# Altium PCB BOARD.PcbDoc (continued)
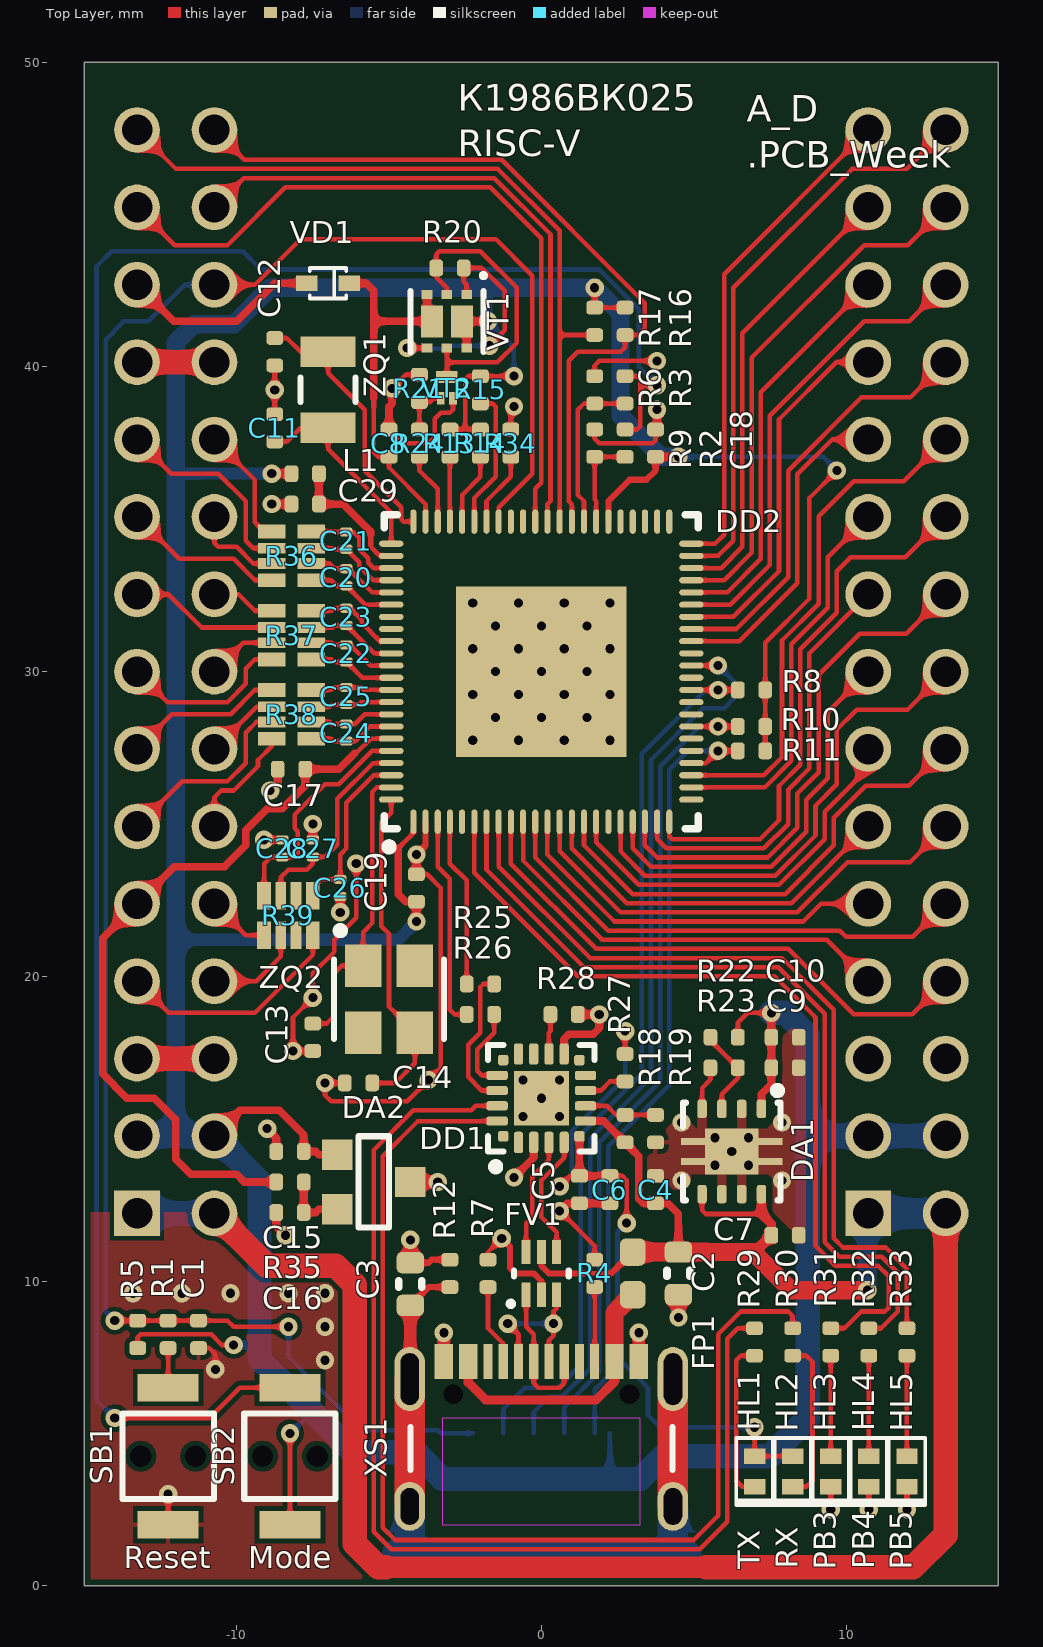
[diagram p0: Top Layer view]
## Part data
C1 C4 C6 C8 C19: library part GCM155R71C104KA55D, Dielectric Type=X7R, Manufacturer=Murata, Schematic Value="0.1uF, 16V, X7R", Tolerance=±10%, Voltage=16V, Working Temperature Max=+125°С, Working Temperature Min=-55°С, Application Category=1, Functional Analog="GRM155R71C104KA88D, GCM155R71C104KA55J, GCM155R71C104KA55W", ID=163, Part Number=GCM155R71C104KA55D, Published=18.05.2010, Publisher="Andrew Danich", Type=Конденсатор
  C4 C6 C8: ClassName=DirectConnect
C2: library part GRM188R61A106KE69D, Dielectric Type=X5R, Manufacturer=Murata, Schematic Value="10uF, 10V, X5R", Tolerance=±10%, Voltage=10V, Working Temperature Max=+85°С, Working Temperature Min=-55°С, Application Category=1, ClassName=DirectConnect, Functional Analog=GRM188R61A106KE69J, ID=173, Part Number=GRM188R61A106KE69D, Published=18.05.2010, Publisher="Andrew Danich", Type=Конденсатор
C3: library part GRM188R72A104KA35D, Dielectric Type=X7R, Manufacturer=Murata, Schematic Value="0.1uF, 100V, X7R", Tolerance=±10%, Voltage=100V, Working Temperature Max=+125°С, Working Temperature Min=-55°С, Application Category=1, Functional Analog=GRM188R72A104KA35J, ID=232, Part Number=GRM188R72A104KA35D, Published=18.05.2010, Publisher="Andrew Danich", Type=Конденсатор
C5 C9 C10 C18: library part GRM155R60J106ME15D, Dielectric Type=X5R, Manufacturer=Murata, Schematic Value="10uF, 6.3V, X5R", Tolerance=±20%, Voltage=6.3V, Working Temperature Max=+85°С, Working Temperature Min=-55°С, Application Category=1, Functional Analog=GRM155R60J106ME15J, ID=234, Part Number=GRM155R60J106ME15D, Published=18.05.2010, Publisher="Andrew Danich", Type=Конденсатор
  C5 C9 C10: ClassName=DirectConnect
C7 C15 C16 C17 C29: library part GRM155C71A105KE11D, Dielectric Type=X7S, Manufacturer=Murata, Schematic Value="1uF, 10V, X7S", Tolerance=±10%, Voltage=10V, Working Temperature Max=+125°С, Working Temperature Min=-55°С, Application Category=1, Functional Analog=GRM155C71A105KE11J, ID=179, Part Number=GRM155C71A105KE11D, Published=18.05.2010, Publisher="Andrew Danich", Type=Конденсатор
  C7: ClassName=DirectConnect
C11 C12: library part GCM1555C1H8R2CA16D, Dielectric Type=NP0, Manufacturer=Murata, Schematic Value="8.2pF, 50V, NP0", Tolerance=±0.25pF, Voltage=50V, Working Temperature Max=+125°С, Working Temperature Min=-55°С, Application Category=1, Functional Analog="GRM1555C1H8R2CA01D, GCM1555C1H8R2CA16J, GCM1555C1H8R2CA16W", ID=195, Part Number=GCM1555C1H8R2CA16D, Published=18.05.2010, Publisher="Andrew Danich", Type=Конденсатор
C13 C14: library part GRM1555C1H160JA01D, Dielectric Type=NP0, Manufacturer=Murata, Schematic Value="16pF, 50V, NP0", Tolerance=±5%, Voltage=50V, Working Temperature Max=+125°С, Working Temperature Min=-55°С, Application Category=1, Functional Analog="GRM1555C1H160JA01J, GRM1555C1H160JA01W", ID=192, Part Number=GRM1555C1H160JA01D, Published=18.05.2010, Publisher="Andrew Danich", Type=Конденсатор
C20 C21 C22 C23 C24 C25 C26 C27 C28: library part GRM033R71A472KA01D, Dielectric Type=X7R, Manufacturer=Murata, Schematic Value="4700pF, 10V, X7R", Tolerance=±10%, Voltage=10V, Working Temperature Max=+125°С, Working Temperature Min=-55°С, Application Category=1, Functional Analog="GRM033R71A472KA01EA01, GRM033R71A472KA01J, GRM033R71A472KA01W", ID=245, Part Number=GRM033R71A472KA01D, Published=18.05.2010, Publisher="Andrew Danich", Type=Конденсатор
DA1: library part TPS73501DRBR, Input Voltage=+2.2…5.5V, Manufacturer="Texas Instruments", Output Current=500mA, Output Voltage=+1.2…5.5V, Working Temperature Max=+125°С, Working Temperature Min=-40°С, Application Category=1, ClassName=DirectConnect, Functional Analog=TPS73501DRBT, ID=27, Part Number=TPS73501DRBR, Published=25.03.2019, Publisher="Andrew Danich", RMS Noise=13.2uV, Type=Микросхема
DA2: library part REF3325AIDBZR, Input Voltage=+2.68…5.5V, Manufacturer="Texas Instruments", Output Current=5mA, Output Voltage=+2.5V, Supply Current=8.5uA, Temperature Coefficient=30ppm, Working Temperature Max=+125°С, Working Temperature Min=-40°С, Application Category=1, Functional Analog=REF3325AIDBZT, ID=25, Noise="70μV p-p", Part Number=REF3325AIDBZR, Published=28.06.2020, Publisher="Andrew Danich", Type=Микросхема
DD1: library part CP2102N-A01-GQFN20, Manufacturer="Silicon Labs", Supply Current=13.7mA, Working Temperature Max=+85°C, Working Temperature Min=-40°C, Application Category=1, Channels=1, ClassName=DirectConnect, Functional Analog=CP2102N-A02-GQFN20, ID=14, Input Interface=UART, OTG Support=No, Part Number=CP2102N-A01-GQFN20, Published=16.07.2019, Publisher="Andrew Danich", Supply Operation=+3.0…3.6V, Type=Микросхема, USB Speed Support="12 Mb/s", USB Type Support="USB 2.0"
DD2: library part К1986ВК025, Manufacturer=Миландр, Operation Frequency=60MHz, Working Temperature Max=+85°С, Working Temperature Min=-50°С, Application Category=1, EEPROM=-, Flash=256+8Kb, I/O Lines=55, ID=2, Part Number=К1986ВК025, Prog Interface=JTAG, Published=18.12.2020, Publisher="Andrew Danich", SRAM=112Kb, Supply Operation=+3.0…3.6V, Type=Микросхема
FP1: library part 0603L100SLYR, Current Rating Max=50A, Hold Current=1A, Limit Voltage=6V, Manufacturer=Littelfuse, Resistance=0.12ohm, Trip Current=1.8A, Working Temperature Max=+85°С, Working Temperature Min=-40°С, Application Category=1, ClassName=DirectConnect, ID=13, Part Number=0603L100SLYR, Published=25.0.2017, Type="Предохранитель самовосстанавливающийся"
FV1: library part USBLC6-2P6, Breakdown Voltage=6V, Forward Voltage=0.95V, Junction Capacitance=2.5pF, Manufacturer=STMicroelectronics, Peak Forward Current=5A, Reverse Stand Off Voltage=17V, Working Temperature Max=+125°С, Working Temperature Min=-40°С, Application Category=1, ClassName=DirectConnect, Directional=Bidirectional, Functional Analog=-, ID=30, Part Number=USBLC6-2P6, Published=21.02.2017, Publisher="Andrew Danich", Type=Супрессор
HL1: library part KPHHS-1005SURCK, Color=Red, Forward Current=20mA, Forward Voltage=2.5V, Manufacturer=Kingbright, Power Dissipation=75mW, Working Temperature Max=+85°С, Working Temperature Min=-40°С, Application Category=1, ID=35, Leds=1, Luminous Flux=140, Part Number=KPHHS-1005SURCK, Published=03.12.2013, Publisher="Andrew Danich", Type="Индикатор единичный"
HL2: library part KPHHS-1005CGCK, Color=Green, Forward Current=20mA, Forward Voltage=2.1V, Manufacturer=Kingbright, Power Dissipation=75mW, Working Temperature Max=+85°С, Working Temperature Min=-40°С, Application Category=1, ID=25, Leds=1, Luminous Flux=60, Part Number=KPHHS-1005CGCK, Published=03.12.2013, Publisher="Andrew Danich", Type="Индикатор единичный"
HL3 HL4 HL5: library part KPHHS-1005QBC-D-V, Color=Blue, Forward Current=20mA, Forward Voltage=3.3V, Manufacturer=Kingbright, Power Dissipation=120mW, Working Temperature Max=+85°С, Working Temperature Min=-40°С, Application Category=1, ID=24, Leds=1, Luminous Flux=60, Part Number=KPHHS-1005QBC-D-V, Published=03.12.2013, Publisher="Andrew Danich", Type="Индикатор единичный"
L1: library part BLM15HD102SN1D, DC Resistance=1.25ohm, Inductor Type=EMIFIL, Manufacturer=Murata, Rated Current=250mA, Schematic Value="1000ohm ±25%", Tolerance=±25%, Working Temperature Max=+125°С, Working Temperature Min=-55°С, Application Category=1, Functional Analog=BLM15HD102SN1B, ID=7, Impedance at 100Mhz=1000ohm, Part Number=BLM15HD102SN1D, Published=14.11.2014, Publisher="Andrew Danich", Type=Дроссель
R1 R3 R24 R25 R26: library part RC0402JR-07100RL, Limit Voltage=50V, Manufacturer=Yageo, Schematic Value="100 ±5%", Temperature Coefficient=100ppm, Tolerance=±5%, Total Power Dissipation=0.1W, Working Temperature Max=+155°С, Working Temperature Min=-55°С, Application Category=1, ID=479, Part Number=RC0402JR-07100RL, Published=24.03.2010, Publisher="Andrew Danich", Series Type=Thick-Film, Type=Резистор
R2 R34 R35: library part RC0402JR-070RL, Limit Voltage=50V, Manufacturer=Yageo, Schematic Value="0 ±5%", Temperature Coefficient=100ppm, Tolerance=±5%, Total Power Dissipation=0.1W, Working Temperature Max=+155°С, Working Temperature Min=-55°С, Application Category=1, ID=362, Part Number=RC0402JR-070RL, Published=24.03.2010, Publisher="Andrew Danich", Series Type=Thick-Film, Type=Резистор
R4 R7: library part RC0402FR-075K1L, Limit Voltage=50V, Manufacturer=Yageo, Schematic Value="5.1k ±1%", Temperature Coefficient=100ppm, Tolerance=±1%, Total Power Dissipation=0.1W, Working Temperature Max=+155°С, Working Temperature Min=-55°С, Application Category=1, ID=496, Part Number=RC0402FR-075K1L, Published=24.03.2010, Publisher="Andrew Danich", Series Type=Thick-Film, Type=Резистор
R5 R6 R8 R9 R10 R11 R13 R14 R15 R16 R17 R27 R28: library part RC0402JR-0710KL, Limit Voltage=50V, Manufacturer=Yageo, Schematic Value="10k ±5%", Temperature Coefficient=100ppm, Tolerance=±5%, Total Power Dissipation=0.1W, Working Temperature Max=+155°С, Working Temperature Min=-55°С, Application Category=1, ID=476, Part Number=RC0402JR-0710KL, Published=24.03.2010, Publisher="Andrew Danich", Series Type=Thick-Film, Type=Резистор
R12 R20 R21: library part RC0402JR-07100KL, Limit Voltage=50V, Manufacturer=Yageo, Schematic Value="100k ±5%", Temperature Coefficient=100ppm, Tolerance=±5%, Total Power Dissipation=0.1W, Working Temperature Max=+155°С, Working Temperature Min=-55°С, Application Category=1, ID=351, Part Number=RC0402JR-07100KL, Published=24.03.2010, Publisher="Andrew Danich", Series Type=Thick-Film, Type=Резистор
R18 R22: library part RC0402FR-0722K1L, Limit Voltage=50V, Manufacturer=Yageo, Schematic Value="22.1k ±1%", Temperature Coefficient=100ppm, Tolerance=±1%, Total Power Dissipation=0.1W, Working Temperature Max=+155°С, Working Temperature Min=-55°С, Application Category=1, ID=447, Part Number=RC0402FR-0722K1L, Published=24.03.2010, Publisher="Andrew Danich", Series Type=Thick-Film, Type=Резистор
R19: library part RC0402FR-0747KL, Limit Voltage=50V, Manufacturer=Yageo, Schematic Value="47k ±1%", Temperature Coefficient=100ppm, Tolerance=±1%, Total Power Dissipation=0.1W, Working Temperature Max=+155°С, Working Temperature Min=-55°С, Application Category=1, ID=528, Part Number=RC0402FR-0747KL, Published=24.03.2010, Publisher="Andrew Danich", Series Type=Thick-Film, Type=Резистор
R23: library part RC0402FR-0712KL, Limit Voltage=50V, Manufacturer=Yageo, Schematic Value="12k ±1%", Temperature Coefficient=100ppm, Tolerance=±1%, Total Power Dissipation=0.1W, Working Temperature Max=+155°С, Working Temperature Min=-55°С, Application Category=1, ID=318, Part Number=RC0402FR-0712KL, Published=24.03.2010, Publisher="Andrew Danich", Series Type=Thick-Film, Type=Резистор
R29 R30 R31 R32 R33: library part RC0402JR-071KL, Limit Voltage=50V, Manufacturer=Yageo, Schematic Value="1k ±5%", Temperature Coefficient=100ppm, Tolerance=±5%, Total Power Dissipation=0.1W, Working Temperature Max=+155°С, Working Temperature Min=-55°С, Application Category=1, ID=3, Part Number=RC0402JR-071KL, Published=24.03.2010, Publisher="Andrew Danich", Series Type=Thick-Film, Type=Резистор
R36 R37 R38 R39: library part CAY10-101J4LF, Limit Voltage=50V, Manufacturer=Bourns, Schematic Value="100 ±5%", Temperature Coefficient=200ppm, Tolerance=±5%, Total Power Dissipation=0,031W, Working Temperature Max=+125°С, Working Temperature Min=-55°С, Application Category=1, ID=26, Part Number=CAY10-101J4LF, Published=15.07.2014, Publisher="Andrew Danich", Series Type=Thick-Film, Type="Набор резисторов"
SB1 SB2: library part IT-1185AP, Isolator Resistance=100meg, Limit Current=50mA, Resistance=0.1ohm, Application Category=1, Backlight=NO, Height=5mm, ID=36, Number of Contacts=2, Part Number=IT-1185AP, Published=17.04.2014, Publisher="Andrew Danich", Type=Переключатель
VD1: library part 1N4148WT-7, Capacitance=2pF, Forward Current=250mA, Forward Voltage=1.25V, Manufacturer="Diodes Incorporated", Reverse Current=1uA, Reverse Voltage=100V, Total Power Dissipation=200mW, Working Temperature Max=+150°С, Working Temperature Min=-65°С, Application Category=1, Functional Analog=1N4148X-TP, ID=18, Part Number=1N4148WT-7, Published=18.05.2010, Publisher="Andrew Danich", Recovery Time=4nS, Type=Диод
VT1: library part PMDPB70XP, D-S On-Resistance=87momh, D-S Voltage=-30V, Drain Current=-3.8A, Gate Capacitance=680pF, Gate Threshold Voltage=-1V, Manufacturer="NXP Semiconductors", Total Power Dissipation=490mW, Working Temperature Max=+150°С, Working Temperature Min=-55°С, Application Category=1, ClassName=DirectConnect, ID=43, Part Number=PMDPB70XP, Published=18.07.2014, Publisher="Andrew Danich", Type="Сборка транзисторная"
VT2: library part NX3008NBKMB, D-S On-Resistance=1.4omh, D-S Voltage=30V, Drain Current=530mA, Gate Capacitance=50pF, Gate Threshold Voltage=1.1V, Manufacturer="NXP Semiconductors", Total Power Dissipation=360mW, Working Temperature Max=+150°С, Working Temperature Min=-55°С, Application Category=1, ID=36, Part Number=NX3008NBKMB, Published=24.09.2010, Publisher="Andrew Danich", Type=Транзистор
XP1 XP2: library part PLD-30, Limit Current=3A, Limit Voltage=250V, Resistance=15momh, Application Category=1, Connector Type=Male, ID=65, Part Number=PLD-30, Pins=30, Pitch=2.54mm, Published=17.03.2018, Publisher="Andrew Danich", Surface Finish=Gold, Type=Вилка
XS1: library part U262-161N-4BVC11, Limit Current=3A, Limit Voltage=30V, Manufacturer="XKB Enterprise", Working Temperature Max=+85°С, Working Temperature Min=-40°С, Application Category=1, ClassName=DirectConnect, Connector Type=Female, Functional Analog=C167321, ID=41, Interface="USB 3.1 Type C", Max Data Rate="480 mbps", Mount Type=Surface, Part Number=U262-161N-4BVC11, Pins=16, Published=17.09.2018, Publisher="Andrew Danich", Type=Розетка
XS2: library part XF2M-1015-1A, Limit Current=500mA, Limit Voltage=50V, Manufacturer="Omron Electronics", Resistance=0.05ohm, Working Temperature Max=+85°С, Working Temperature Min=-30°С, Application Category=1, Connector Type=Female, ID=7, Part Number=XF2M-1015-1A, Pins=10, Pitch=0.5mm, Published=07.09.2015, Publisher="Viktor Klishin", Series=FPC, Type=Розетка
ZQ1: library part "SX-3215 32.768KHz", Load Capacitance=9pF, Output Frequency=32.768KHz, Shunt Capacitance=1.2pF, Application Category=1, ID=16, Part Number="SX-3215 32.768KHz", Published=08.03.2013, Publisher="Andrew Danich", Type=Резонатор
ZQ2: library part 12.88602_KX-7-16.0MHz, Load Capacitance=10pF, Manufacturer="GEYER ELECTRONIC", Output Frequency=16МГц, Temperature Coefficient=±30ppm, Working Temperature Max=+70°С, Working Temperature Min=-20°С, Application Category=1, Functional Analog=-, ID=23, Part Number=12.88602_KX-7-16.0MHz, Published=12.09.2014, Publisher="Andrew Danich", Type=Резонатор

## Via types
v1: diameter 0.6, hole 0.3, Top Layer to Bottom Layer, tented both sides, 70 vias
v2: diameter 0.6, hole 0.3, Top Layer to Bottom Layer, 35 vias

## Nets (pads, with @x,y where several pads share a name; then routed paths per layer and width w, separated by ;. In a path a pad name is that pad's centre, name@x,y a point inside that pad or via, vN(x,y) a via of type N, cw(c..) or ccw(c..) an arc to the next point about the centre after c; other vN are vias at no path point)
ADC_DI0_N: R36.6 XP1.21 | length 6.7
  Top Layer w0.15: XP1.21 -12.15,36.5 -10.6,36.5 -9.7,35.6 -9.7,34.3 -9.45,34.05 R36.6
ADC_DI0_P: R36.5 XP1.22 | length 3.9
  Top Layer w0.15: XP1.22 -9.4,36.29 -9.4,34.9 -9.1,34.6 R36.5
ADC_DI1_N: R37.6 XP1.17 | length 4.9
  Top Layer w0.15: XP1.17 -12.24,32.54 -11.15,31.45 R37.6
ADC_DI1_P: R37.5 XP1.18 | length 2.1
  Top Layer w0.15: XP1.18 -9.94,32.54 -9.4,32 R37.5
ADC_DI2_N: R38.6 XP1.14 | length 2.5
  Top Layer w0.15: XP1.14 -9.34,28.85 R38.6
ADC_DI2_P: R38.5 XP1.13 | length 5.2
  Top Layer w0.15: XP1.13 -12.13,28.6 -10.2,28.6 -9.4,29.4 R38.5
ADC_DV0_N: R36.8 XP1.19 | length 5.3
  Top Layer w0.15: XP1.19 -11.89,33.7 -10.1,33.7 -9.4,33 R36.8
ADC_DV0_P: R36.7 XP1.20 | length 3
  Top Layer w0.15: XP1.20 -10.73,34.23 -10.6,34.1 -10,34.1 -9.45,33.55 R36.7
ADC_DV1_N: R37.8 XP1.15 | length 5.7
  Top Layer w0.15: XP1.15 -12.27,29 -10.3,29 -9.7,29.6 -9.7,30.1 -9.4,30.4 R37.8
ADC_DV1_P: R37.7 XP1.16 | length 2.3
  Top Layer w0.15: XP1.16 -9.78,30.95 R37.7
ADC_DV2_N: R38.8 XP1.12 | length 3.9
  Top Layer w0.15: XP1.12 -10.73,25.87 -10.5,26.1 -10.1,26.1 -9.3,26.9 -9.3,27.1 -8.85,27.55 R38.8
ADC_DV2_P: R38.7 XP1.11 | length 6.4
  Top Layer w0.15: XP1.11 -11.79,26.4 -10.3,26.4 -9.7,27 -9.7,28 -9.35,28.35 R38.7
ADC_S1: R39.5 XP1.10 | length 2.1
  Top Layer w0.15: XP1.10 -9.7,21.35 R39.5
ADC_S2: R39.6 XP1.8 | length 3.2
  Top Layer w0.15: XP1.8 -9.36,19.84 -8.55,20.65 R39.6
ADC_S3: R39.8 XP1.7 | length 7.6
  Top Layer w0.15: XP1.7 -12.23,18.8 -9.4,18.8 -7.5,20.7 R39.8
AVCC3P3: C29.2 DD2.68 L1.2 | length 4.4
  Top Layer w0.15: -5.6,34.5 -5.6,34.1 -5.3,33.8 DD2.68
  Top Layer w0.25: L1.2 C29.2 -6.5,35.5 -5.6,34.6 -5.6,34.5
AVREF: C17.2 DD2.83 R35.1 XP1.9 | length 25.2
  Top Layer w0.15: -6.1,27.3 -5.6,27.8 DD2.83
  Top Layer w0.25: R35.1 -9.75,13.25 -10,13.5 -11.5,13.5 -12,14 -12,15.3 -12.7,16 -13.6,16 -14.4,16.8 -14.4,21.25 XP1.9 -12.05,23.6 -10.4,23.6 -9.7,24.3 -9.7,24.8 -9,25.5 -8.5,25.5 -7.75,26.25 C17.2 -6.643,26.8 -6.122,27.322
DVCC3P3: C5.2 C6.1 DD1.6 HL1.1 HL2.1 R27.1 | length 24.6
  Top Layer w0.15: v1(0.6,13.1) 0.95,13.45 C5.2 ; C6.1 2.65,13.45 2.8,13.3 v1(2.8,11.9) ; R27.1 v1(2.75,18.2) ; v1(7,5.2) HL1.1 HL2.1
  Top Layer w0.25: DD1.6 C5.2 C6.1
  Bottom Layer w0.15: v1(0.6,13.1) 1,13.5 1,14.924 2.75,16.674 v1(2.75,18.2) ; v1(2.8,11.9) 2.5,11.6 2.5,7.5 3.5,6.5 3.5,5.6 3.9,5.2 v1(7,5.2)
GND: C1.2 C2.1 C3.1 C4.1 C5.1 C6.2 C7.1 C8.2 C9.1 C10.1 C11.1 C12.1 C13.1 C14.1 C15.1 C16.1 C17.1 C18.1 C19.2 C26.1 C27.1 C28.1 C29.1 DA1.2 DA1.4 DA1.6 DA1.7 DA1.TP DA2.3 DD1.3 DD1.12 DD1.TP DD2.2 DD2.TP FV1.2 HL3.2 HL4.2 HL5.2 R4.1 R6.1 R7.1 R9.1 R12.1 R19.2 R21.1 R23.1 R28.1 R34.2 SB1.1 VT2.2 XP1.5 XP1.6 XP1.23 XP1.24 XP2.5 XP2.6 XS1.A1 XS1.A12 XS1.B1 XS1.B12 XS2.3 XS2.5 XS2.9 | length 69.2
  Top Layer w0.15: SB1.1 v1(-12.25,3) ; C1.2 -10.9,7.8 -10.7,7.6 v1(-10.7,7.1) ; C11.1 v1(-8.75,39.25) C12.1 ; C13.1 v1(-8.15,17.55) -8.15,18.65 v1(-7.5,19.3) -7.5,20.1 -6.8,20.8 -6.8,21.2 -6.075,21.925 v1(-6.075,23.7) ; C14.1 v1(-7.1,16.5) -7.1,16.1 -6.9,15.9 -4.4,15.9 -3.3,17 -3.3,22.9 -3.75,23.35 C19.2 ; C8.2 -4.55,37.5 -3.7,37.5 -3.698,37.5 -3.5,37.698 -3.5,38.202 -3.5,38.3 -3.3,38.5 -3,38.5 -2.9,38.6 VT2.2 ; v1(-4.9,39.3) -4.45,39.75 R21.1 ; R7.1 -1.75,10.95 v1(-1.3,11.4) ; R34.2 -1,38.6 v1(-0.9,38.7) ; v1(0.6,12.3) 1.75,11.15 R4.1 ; R9.1 1.75,37.65 1.9,37.5 3.65,37.5 3.75,37.6 C18.1 ; R6.1 1.75,40.05 1.9,40.2 v1(3.8,40.2) ; DA1.4 5.275,16.325 5.55,16.6 R23.1 ; v1(9.5,2.5) HL3.2 ; v1(10.75,2.5) HL4.2 ; v1(12,2.5) HL5.2
  Top Layer w0.2: C3.1 -3.7,10.6 -3.6,10.7 R12.1 ; v1(-4.1,24) -3.8,24.3 DD2.2 ; v1(-1.3,11.4) -1.025,11.125 -1.025,10.425 -0.85,10.25 -0.25,10.25 0,10 FV1.2
  Top Layer w0.25: v1(-9.1,24.48) C28.1 ; v1(-9,15) -8.7,14.7 C15.1 ; v1(-8.9,26.1) -8.65,26.35 C17.1 ; v1(-8.85,35.5) C29.1 ; C16.1 -8.7,11.8 v1(-8.4,11.5) ; C27.1 v1(-7.5,25) ; v1(-6.6,22.1) C26.1 ; C8.2 -5,38.7 -4.9,38.8 v1(-4.9,39.3) ; C19.2 v1(-4.1,24) ; v1(-0.9,13.4) -0.25,14.05 DD1.3 ; v1(0.6,12.3) 0.85,12.55 C5.1 C6.2 ; DD1.12 0.75,17.95 0.9,18.1 1.7,18.1 1.9,18.3 v1(1.9,18.75) R28.1 ; C18.1 3.8,38 v1(3.8,38.6)
  Top Layer w0.4: C3.1 v1(-4.3,11.35) ; DA2.3 v1(-3.4,13.25) ; XS1.B12@-3.2,7.355 v1(-3.2,8.3) ; XS1.A12@3.2,7.355 v1(3.2,8.3) ; v1(4.5,8.8) C2.1
  Top Layer w0.8: XP1.5 XP1.6 ; XP1.23 XP1.24
  other v1: -7.1,7.4 -7.1,8.5 -13.4,9.6 -11.8,9.6 -10.2,9.6 -8.3,9.6 -7.1,9.6 4.6,13.3 7.9,13.3 4.6,15.2 7.9,15.2 -3.7,16.6
  other v2: 5.7,13.8 6.8,13.8 6.25,14.25 5.7,14.7 6.8,14.7 -0.6,15.4 0.6,15.4 0,16 -0.6,16.6 0.6,16.6 -2.25,27.75 -0.75,27.75 0.75,27.75 2.25,27.75 -1.5,28.5 0,28.5 1.5,28.5 -2.25,29.25 -0.75,29.25 0.75,29.25 2.25,29.25 -1.5,30 0,30 1.5,30 -2.25,30.75 -0.75,30.75 0.75,30.75 2.25,30.75 -1.5,31.5 0,31.5 1.5,31.5 -2.25,32.25 -0.75,32.25 0.75,32.25 2.25,32.25
LED_RX_N: DD1.20 R30.2 | length 37.1
  Top Layer w0.15: DD1.20 -4.05,15.25 -5.2,14.1 -5.2,1.9 -4.8,1.5 5,1.5 5.8,2.3 5.8,8.25 6.55,9 8.1,9 8.25,8.85 R30.2
LED_TX_N: DD1.19 R29.2 | length 36.4
  Top Layer w0.15: DD1.19 -2.15,15.75 -2.3,15.6 -4.2,15.6 -5.5,14.3 -5.5,1.776 -4.924,1.2 5.2,1.2 6.1,2.1 6.1,8.1 6.45,8.45 R29.2
NetC11_2: C11.2 DD2.67 ZQ1.1 | length 6.6
  Top Layer w0.15: C11.2 -8.35,37.55 -7.9,38 ZQ1.1 -7,37.3 -4.925,35.225 DD2.67
NetC12_2: C12.2 DD2.66 ZQ1.3 | length 8.9
  Top Layer w0.15: C12.2 -8.35,40.95 -7.9,40.5 ZQ1.3 -7,39.8 -5.8,38.6 -5.8,36.6 -4.6,35.4 -4.6,35 -4.525,34.925 DD2.66
NetC13_2: C13.2 DD2.87 ZQ2.1 | length 9.8
  Top Layer w0.15: C13.2 -7.05,18.45 -6.8,18.7 -6.8,20.1 -6.55,20.35 ZQ2.1 -5.85,21.45 -5.55,21.75 -5.55,26.05 -5.4,26.2 DD2.87
NetC14_2: C14.2 DD2.88 ZQ2.3 | length 10.9
  Top Layer w0.15: C14.2 -4.8,16.5 -4.15,17.15 ZQ2.3 -5,19 -5,21.4 -5.25,21.65 -5.25,25.05 -4.925,25.375 DD2.88
NetC16_2: C16.2 DA2.2 R35.2 | length 2.1
  Top Layer w0.25: R35.2 C16.2 -7.4,12.25 -7.3,12.35 DA2.2
NetDA1_3: DA1.3 R22.1 R23.2 | length 2.9
  Top Layer w0.15: R22.1 5.55,17.9 R23.2 6.45,16.65 5.925,16.125 DA1.3
NetDD1_8: DD1.8 R18.1 R19.1 | length 2.4
  Top Layer w0.15: DD1.8 2.15,15.75 2.45,15.45 R18.1 R19.1
NetDD1_9: DD1.9 R27.2 | length 1.4
  Top Layer w0.15: DD1.9 1.95,16.25 2.25,16.55 R27.2
NetDD1_13: DD1.13 R28.2 | length 1.3
  Top Layer w0.15: DD1.13 0.25,18.15 0.3,18.2 R28.2
NetDD1_17: DD1.17 R26.2 | length 2.8
  Top Layer w0.15: R26.2 -1.55,18.15 -2.1,17.6 -2.1,16.9 -1.95,16.75 DD1.17
NetDD1_18: DD1.18 R25.2 | length 4.7
  Top Layer w0.15: R25.2 -1.9,19.75 -2,19.65 -2,18.15 -2.4,17.75 -2.4,16.7 -1.95,16.25 DD1.18
NetDD2_60: DD2.60 R34.1 | length 2.5
  Top Layer w0.15: DD2.60 -1.8,35.6 -1,36.4 R34.1
NetFP1_1: FP1.1 XS1.A4 XS1.A9 XS1.B4 XS1.B9 | length 9.5
  Top Layer w0.3: XS1.B9@-2.4,7.775 -2.4,7.355 -2.4,6.674 -1.826,6.1 1.8,6.1 2.4,6.7 XS1.A9@2.4,7.355
  Top Layer w0.6: XS1.A9@2.4,7.355 2.4,8.95 FP1.1
NetHL1_2: HL1.2 R29.1 | length 5.3
  Top Layer w0.15: HL1.2 6.6,3.25 6.4,3.45 6.4,7.4 6.55,7.55 R29.1
NetHL2_2: HL2.2 R30.1 | length 5.4
  Top Layer w0.15: HL2.2 8.7,3.25 8.9,3.45 8.9,7.35 8.7,7.55 R30.1
NetHL3_1: HL3.1 R31.1 | length 3.3
  Top Layer w0.15: HL3.1 R31.1
NetHL4_1: HL4.1 R32.1 | length 3.3
  Top Layer w0.15: HL4.1 R32.1
NetHL5_1: HL5.1 R33.1 | length 3.3
  Top Layer w0.15: HL5.1 R33.1
NetR1_1: R1.1 SB1.2 | length 1.3
  Top Layer w0.15: SB1.2 R1.1
NetR2_2: R2.2 R3.2 SB2.2 | length 68.9
  Top Layer w0.15: v1(-14,5.5) -10.9,5.5 -9.9,6.5 SB2.2 ; R2.2 3.15,37.95 3.25,38.05 3.25,39.4 ; R3.2 3.125,39.7 3.25,39.575 3.25,39.4 ; v1(3.8,39.4) 3.25,39.4
  Bottom Layer w0.15: v1(-14,5.5) -14.6,6.1 -14.6,43.3 -14.1,43.8 -9.8,43.8 -9.2,43.2 1.9,43.2 3.2,41.9 3.2,40 v1(3.8,39.4)
NetR4_2: R4.2 XS1.B5 | length 2.4
  Top Layer w0.15: XS1.B5 R4.2
NetR7_2: R7.2 XS1.A5 | length 2.7
  Top Layer w0.15: R7.2 -1.75,8.45 -1.25,7.95 XS1.A5
NetR20_1: R20.1 VT1.2 VT1.5 VT2.3 | length 10
  Top Layer w0.15: VT2.3 -3.1,40.15 ; VT1.5 -3.1,40.15 ; VT1.2 -3.1,42.6 -3.45,42.95 R20.1 -3.45,43.7 -3.35,43.8 -2,43.8 -0.8,42.6 -0.8,40.8 -1.45,40.15 -3.1,40.15
NetR20_2: R20.2 VT1.1 VT1.4 | length 8
  Top Layer w0.15: v1(-4.4,40.625) VT1.4 ; VT1.1 -2.45,42.7 -2.55,42.8 R20.2 -1.95,43.25 -1.2,42.5 -1.2,41.2 v1(-1.7,40.7)
  Bottom Layer w0.15: v1(-4.4,40.625) -4.375,40.6 -3.1,40.6 -3,40.7 v1(-1.7,40.7)
NetR21_2: R21.2 R24.2 VT2.1 | length 1.7
  Top Layer w0.15: R24.2 R21.2 -3.65,38.85 -3.525,38.975 VT2.1
NetVD1_1: VD1.1 XP1.25 | length 6.6
  Top Layer w0.25: XP1.25 -12.07,41.5 -10,41.5 -8.75,42.75 VD1.1
PA0: DD2.41 XP2.28 | length 17.2
  Top Layer w0.15: DD2.41 6,33 6.9,33.9 6.9,40.3 10.6,44 12.03,44 XP2.28
PA1: DD2.40 XP2.25 | length 13.2
  Top Layer w0.15: DD2.40 6.1,32.6 7.2,33.7 7.2,39.17 XP2.25
PA2: DD2.39 XP2.26 | length 15.6
  Top Layer w0.15: DD2.39 6.2,32.2 7.5,33.5 7.5,38.4 10.6,41.5 12.07,41.5 XP2.26
PA3: DD2.38 XP2.23 | length 12.2
  Top Layer w0.15: DD2.38 6.3,31.8 7.8,33.3 7.8,38.276 9.684,40.16 XP2.23
PA4: DD2.37 XP2.24 | length 14
  Top Layer w0.15: DD2.37 6.4,31.4 8.1,33.1 8.1,36.6 10.5,39 12.11,39 XP2.24
PA5: DD2.36 XP2.21 | length 10.6
  Top Layer w0.15: DD2.36 6.5,31 8.4,32.9 8.4,36.476 9.544,37.62 XP2.21
PA6: DD2.29 R10.1 XS2.4 | length 27.2
  Top Layer w0.15: DD2.29 v1(5.8,28.2) R10.1
  Bottom Layer w0.15: XS2.4 0.75,5.85 1.9,7 1.9,14.551 3.9,16.551 3.9,26.9 5.2,28.2 v1(5.8,28.2)
PA7: DD2.34 XS2.6 | length 29.7
  Top Layer w0.15: DD2.34 v1(5.8,30.2)
  Bottom Layer w0.15: XS2.6 -0.25,5.7 0.25,6.2 0.676,6.2 1.6,7.124 1.6,14.676 3.6,16.676 3.6,27.1 5.3,28.8 6,28.8 6.4,29.2 6.4,29.6 v1(5.8,30.2)
PA8: DD2.26 R11.1 XS2.2 | length 26.3
  Top Layer w0.15: DD2.26 5.4,27 v1(5.8,27.4) R11.1
  Bottom Layer w0.15: XS2.2 1.75,6.426 2.2,6.876 2.2,6.9 2.2,13.8 2.2,14.427 4.2,16.427 4.2,26.776 4.824,27.4 v1(5.8,27.4)
PA9: DD2.32 R8.1 XS2.8 | length 29.7
  Top Layer w0.15: DD2.32 v1(5.8,29.4) R8.1
  Bottom Layer w0.15: XS2.8 -1.25,5.8 -0.55,6.5 0.551,6.5 1.3,7.249 1.3,14.8 3.3,16.8 3.3,27.3 5.4,29.4 v1(5.8,29.4)
PA10: DD2.31
PA11: DD2.30
PA12: DD2.35
PA13: DD2.28
PA14: DD2.27
PA15: DD2.33
PB0: DD2.3 R26.1 | length 7
  Top Layer w0.15: DD2.3 -3.4,23.6 -3,23.2 -3,18.9 -2.85,18.75 R26.1
PB1: DD2.4 R25.1 | length 5.6
  Top Layer w0.15: DD2.4 -3,23.7 -2.45,23.15 R25.1
PB2: DD2.5
PB3: DD2.6 R31.2 | length 28.4
  Top Layer w0.15: DD2.6 -2.2,23.4 1.2,20 7.651,20 9,18.651 9,11.151 9.651,10.5 11.051,10.5 11.4,10.151 11.4,9.124 11.276,9 10.5,9 9.95,8.45 R31.2
PB4: DD2.7 R32.2 | length 27.4
  Top Layer w0.15: DD2.7 -1.8,23.5 1.4,20.3 7.776,20.3 9.3,18.776 9.3,11.276 9.776,10.8 11.176,10.8 11.7,10.276 11.7,9 11.15,8.45 R32.2
PB5: DD2.8 R33.2 | length 26.7
  Top Layer w0.15: DD2.8 -1.4,23.6 1.6,20.6 7.9,20.6 9.6,18.9 9.6,11.4 9.9,11.1 11.3,11.1 12,10.4 R33.2
PB6: DD2.9 XP2.8 | length 18.1
  Top Layer w0.15: DD2.9 -1,23.7 1.8,20.9 8.1,20.9 10.25,18.75 12.18,18.75 XP2.8
PB7: DD2.10 XP2.7 | length 14.2
  Top Layer w0.15: DD2.10 -0.6,23.8 2,21.2 9.37,21.2 XP2.7
PB8: DD2.12 XP2.9 | length 12.8
  Top Layer w0.15: DD2.12 0.2,24 2.4,21.8 8.6,21.8 9.18,22.38 XP2.9
PB9: DD2.11 XP2.10 | length 16.2
  Top Layer w0.15: DD2.11 -0.2,23.9 2.2,21.5 9.8,21.5 10,21.3 12.19,21.3 XP2.10
PB10: DD2.13 XP2.12 | length 15.6
  Top Layer w0.15: DD2.13 0.6,24.1 2.6,22.1 8.4,22.1 10.05,23.75 12.1,23.75 XP2.12
PB11: DD2.14 XP2.11 | length 12.4
  Top Layer w0.15: DD2.14 1,24.2 2.8,22.4 8.21,22.4 XP2.11
PB12: DD2.15 XP2.14 | length 15.8
  Top Layer w0.15: DD2.15 1.4,24.3 3,22.7 8,22.7 9.6,24.3 9.6,25.2 10.65,26.25 12.06,26.25 XP2.14
PB13: DD2.16 XP2.13 | length 12.9
  Top Layer w0.15: DD2.16 1.8,24.4 3.2,23 7.8,23 9.3,24.5 9.3,25.4 10.73,26.83 XP2.13
PB14: DD2.17
PC0: DD2.51 R2.1 R9.2 | length 3.1
  Top Layer w0.15: DD2.51 1.8,35.6 1.75,35.65 R9.2 R2.1
PC1: DD2.52 R3.1 R6.2 | length 5.4
  Top Layer w0.15: DD2.52 1.4,35.6 1.2,35.8 1.2,38.6 1.4,38.8 R6.2 R3.1
PC2: DD2.53 R16.2 XP1.30 | length 25.8
  Top Layer w0.15: XP1.30 -9.75,46.8 -1.3,46.8 3.4,42.1 3.4,41.25 3.2,41.05 R16.2 2.75,40.65 2.6,40.5 1.2,40.5 0.9,40.2 0.9,35.6 1,35.5 DD2.53
PC3: DD2.54 R17.2 XP1.29 | length 25.9
  Top Layer w0.15: XP1.29 -11.99,46.5 -1.424,46.5 0.6,44.476 0.6,41.05 ; DD2.54 0.6,41.05 ; R17.2 0.6,41.05
PC4: DD2.55 XP1.28 | length 21.7
  Top Layer w0.15: XP1.28 -9.77,46.2 -1.549,46.2 0.3,44.351 0.3,35.6 0.2,35.5 DD2.55
PC5: DD2.56 XP1.27 | length 24.6
  Top Layer w0.15: XP1.27 -12.03,44 -10.3,44 -8.4,45.9 -1.673,45.9 0,44.227 0,36.2 -0.2,36 DD2.56
PC6: DD2.57
PC7: DD2.58
PD0: DD2.18 XP2.16 | length 16.4
  Top Layer w0.15: DD2.18 2.6,24.1 3.4,23.3 7.676,23.3 9,24.624 9,25.6 9.7,26.3 9.7,28.1 10.35,28.75 12.02,28.75 XP2.16
PD1: DD2.19 XP2.15 | length 13.4
  Top Layer w0.15: DD2.19 3,24.2 3.6,23.6 7.551,23.6 8.7,24.749 8.7,25.8 9.4,26.5 9.4,28.67 XP2.15
PD2: DD2.20 XP2.18 | length 16.9
  Top Layer w0.15: DD2.20 3.4,24.3 3.8,23.9 7.427,23.9 8.4,24.873 8.4,26 9.1,26.7 9.1,29.9 10.45,31.25 11.98,31.25 XP2.18
PD3: DD2.21 XP2.17 | length 14
  Top Layer w0.15: DD2.21 3.8,24.5 4.1,24.2 7.303,24.2 8.1,24.997 8.1,26.124 8.8,26.824 8.8,30.61 XP2.17
PD4: DD2.22 XP2.20 | length 17.6
  Top Layer w0.15: DD2.22 4.2,24.6 4.3,24.5 7.179,24.5 7.8,25.121 7.8,25.6 7.8,26.249 8.5,26.949 8.5,30.734 9.7,31.934 9.7,33.3 10.15,33.75 11.94,33.75 XP2.20
PD5: DD2.44 XP2.29 | length 16.4
  Top Layer w0.15: DD2.44 5.7,34.2 6,34.5 6,43.05 XP2.29
PD6: DD2.43 XP2.30 | length 19
  Top Layer w0.15: DD2.43 5.8,33.8 6.3,34.3 6.3,42.6 10.2,46.5 11.99,46.5 XP2.30
PD7: DD2.42 XP2.27 | length 14.8
  Top Layer w0.15: DD2.42 5.9,33.4 6.6,34.1 6.6,41.11 XP2.27
PD8: DD2.25 XP2.22 | length 16.8
  Top Layer w0.15: DD2.25 7.303,26.6 7.9,27.197 7.9,31.024 9.1,32.224 9.1,35.1 10.25,36.25 11.9,36.25 XP2.22
PD9: DD2.24 XP2.19 | length 12.7
  Top Layer w0.15: DD2.24 7.327,26.2 8.2,27.073 8.2,30.9 9.4,32.1 9.4,33.75 XP2.19
PD10: DD2.23
PD11: DD2.45
PD12: DD2.46
PD13: DD2.47
PD14: DD2.48
PD15: DD2.49
RESET_N: C1.1 DD2.59 R1.2 R5.1 XP1.26 XS2.10 | length 70.6
  Top Layer w0.15: v1(-14,8.7) R5.1 R1.2 C1.1 -10.3,8.7 -10.1,8.5 v1(-8.3,8.5) ; XP1.26 -9.4,42.7 -7.9,44.2 -1.5,44.2 -0.3,43 -0.3,36.5 -1.4,35.4 DD2.59
  Bottom Layer w0.15: v1(-14,8.7) -14.3,9 -14.3,40.9 -13.7,41.5 -12.9,41.5 -11.7,42.7 XP1.26 ; v1(-8.3,8.5) -8.3,7.5 -5.9,5.1 -3.4,5.1 -3.3,5 XS2.10
SAR_AIN1: C28.2 DD2.84 R39.4 | length 7.6
  Top Layer w0.15: R39.4 -9.1,23.7 -8.88,23.92 C28.2 -8.1,23.92 -8,24.02 -8,24.758 -8.1,24.858 -8.1,25.3 -7.1,26.3 -6.649,26.3 -5.549,27.4 DD2.84
SAR_AIN2: C27.2 DD2.85 R39.3 | length 6.8
  Top Layer w0.15: R39.3 -8.55,23.25 -8.3,23.5 -7.7,23.5 -7.5,23.7 C27.2 -7.1,23.92 -6.7,24.32 -6.7,25.824 -5.524,27 DD2.85
SAR_AIN3: C26.2 DD2.86 R39.1 | length 5.7
  Top Layer w0.15: R39.1 -7.5,22.915 -7.235,23.18 C26.2 -6.6,23.996 -6.4,24.196 -6.4,25.7 -5.5,26.6 DD2.86
SD_IIN0_N: C21.2 DD2.70 R36.3 | length 3.1
  Top Layer w0.15: R36.3 -6.81,34.05 -6.78,34.02 C21.2 -5.975,33.595 -5.975,33.455 -5.52,33 DD2.70
SD_IIN0_P: C21.1 DD2.69 R36.4 | length 3.4
  Top Layer w0.15: R36.4 -6.8,34.6 -6.78,34.58 C21.1 -6.16,34.58 -5.975,34.395 -5.975,34.019 -5.675,33.719 -5.675,33.579 -5.496,33.4 DD2.69
SD_IIN1_N: C23.2 DD2.76 R37.3 | length 3
  Top Layer w0.15: R37.3 -6.85,31.45 -6.78,31.52 C23.2 -5.48,30.6 DD2.76
SD_IIN1_P: C23.1 DD2.75 R37.4 | length 3
  Top Layer w0.15: R37.4 -6.88,32 -6.8,32.08 C23.1 ; C23.1@-6.28,32.08 -5.9,31.7 -5.9,31.6 -5.3,31 DD2.75
SD_IIN2_N: C25.2 DD2.80 R38.3 | length 2.7
  Top Layer w0.15: R38.3 -6.95,28.85 -6.88,28.92 C25.2 -6,28.92 -5.92,29 DD2.80
SD_IIN2_P: C25.1 DD2.79 R38.4 | length 2.7
  Top Layer w0.15: R38.4 -6.9,29.4 -6.82,29.48 C25.1 -5.92,29.48 -5.84,29.4 DD2.79
SD_IIN3_N: DD2.74
SD_IIN3_P: DD2.73
SD_VIN0_N: C20.2 DD2.72 R36.1 | length 3
  Top Layer w0.15: R36.1 -6.9,33 -6.72,32.82 C20.2 -5.78,32.2 DD2.72
SD_VIN0_P: C20.1 DD2.71 R36.2 | length 3
  Top Layer w0.15: R36.2 -6.95,33.55 -6.78,33.38 C20.1 -6.336,33.38 -5.556,32.6 DD2.71
SD_VIN1_N: C22.2 DD2.78 R37.1 | length 2.9
  Top Layer w0.15: R37.1 -6.88,30.4 -6.8,30.32 C22.2 -5.88,29.8 DD2.78
SD_VIN1_P: C22.1 DD2.77 R37.2 | length 2.9
  Top Layer w0.15: R37.2 -6.87,30.95 -6.8,30.88 C22.1 -6.28,30.88 -5.6,30.2 DD2.77
SD_VIN2_N: C24.2 DD2.82 R38.1 | length 2.9
  Top Layer w0.15: R38.1 -6.9,27.8 -6.82,27.72 C24.2 -6.104,27.72 -5.624,28.2 DD2.82
SD_VIN2_P: C24.1 DD2.81 R38.2 | length 2.8
  Top Layer w0.15: R38.2 -6.95,28.35 -6.88,28.28 C24.1 -6.12,28.28 -5.8,28.6 DD2.81
SHLD: C3.2 R12.2 XS1.SH XS2.SH | length 25.4
  Top Layer w0.2: C3.2 -3.7,9.8 R12.2
  Top Layer w0.4: XS1.SH@-4.3,6.78 C3.2
  Top Layer w1: XS1.SH@-4.32,2.6 XS1.SH@-4.32,6.78 ; XS1.SH@4.32,2.6 XS1.SH@4.32,6.78
  Bottom Layer w1: XS1.SH@-4.32,2.6 -4.32,1.43 -4.75,1 4.75,1 4.32,1.43 XS1.SH@4.32,2.6
USB_N: DD1.5 FV1.4 | length 4.1
  Top Layer w0.15: FV1.4 0.5,11.6 0,12.1 0,13.3 0.75,14.05 DD1.5
USB_P: DD1.4 FV1.6 | length 3.9
  Top Layer w0.15: FV1.6 -0.5,11.9 -0.3,12.1 -0.3,13.424 0.25,13.974 DD1.4
USBD_N: FV1.3 XS1.A7 XS1.B7 | length 5.2
  Top Layer w0.15: v1(-1.1,8.6) -0.75,8.25 XS1.B7 ; XS1.A7 0.25,8.05 0.4,8.2 v1(0.4,8.6) 0.4,9 0.5,9.1 FV1.3
  Bottom Layer w0.15: v1(-1.1,8.6) v1(0.4,8.6)
USBD_P: FV1.1 XS1.A6 XS1.B6 | length 4.8
  Top Layer w0.15: FV1.1 -0.5,8.5 -0.25,8.25 XS1.A6 -0.25,6.65 -0.1,6.5 0.6,6.5 0.75,6.65 XS1.B6
VCC3P3: C9.2 C10.2 C15.2 C18.2 C19.1 DA1.1 DA2.1 DD2.1 DD2.50 L1.1 R5.2 R8.2 R10.2 R11.2 R13.1 R14.1 R15.1 R16.1 R17.1 R22.2 SB2.1 VT1.6 XP1.3 XP1.4 XP2.3 XP2.4 XS2.1 | length 163.7
  Top Layer w0.15: R5.2 -13.25,8.15 -13.15,8.25 -10.833,8.25 -10.483,7.9 v1(-10.1,7.9) ; SB2.1 v1(-8.25,5) ; -4.7,24.2 -4.2,24.7 DD2.1 ; R13.1 -2.5,37.95 ; R14.1 -2.5,37.95 ; v1(-0.9,39.7) R15.1 -2.4,39.7 -2.5,39.6 -2.5,37.95 ; v1(1.75,42.6) R17.1 R16.1 ; R22.2 6.45,18.475 6.775,18.8 v1(7.55,18.8) ; R11.2 R10.2 R8.2 7.35,30.95 8.8,32.4 8.8,35.7 v1(9.7,36.6)
  Top Layer w0.2: DD2.50 2.2,35.6 2.9,36.3 3.45,36.3 3.75,36.6 C18.2
  Top Layer w0.25: XP1.4 -9.89,15.6 -8.6,15.6 -7.8,14.8 C15.2 -7.4,14.25 -7.3,14.15 DA2.1 ; v1(-8.85,36.5) L1.1 ; -4.7,24.2 -4.7,22.7 -4.45,22.45 C19.1 v1(-4.1,21.8) ; VT1.6@-2.45,40.625 -2.45,41.34 -2.61,41.5 v1(-1.75,41.5) ; C18.2 v1(4.5,37.05) ; DA1.1 7.225,16.125 7.55,16.45 C9.2 C10.2 v1(7.55,18.8)
  Bottom Layer w0.15: v1(-10.1,7.9) -9.25,7.9 ; v1(-8.25,5) -7.55,5.7 -7.55,5.75 ; v1(-1.75,41.5) -0.9,40.65 v1(-0.9,39.7) ; 2.25,3.5 XS2.1 ; v1(4.5,37.05) 9.25,37.05 v1(9.7,36.6)
  Bottom Layer w0.25: v1(-1.75,41.5) -1.75,42.6
  Bottom Layer w0.4: -12,21.2 -4.7,21.2 v1(-4.1,21.8) ; -12,36.5 v1(-8.85,36.5)
  Bottom Layer w0.6: -12,14.76 -12,21.2 -12,36.5 -12,40.8 -11.4,41.4 -10.1,41.4 -8.9,42.6 -1.75,42.6 v1(1.75,42.6) 2.6,41.75 2.6,38.4 3.95,37.05 v1(4.5,37.05)
  Bottom Layer w0.8: XP1.3 -12,14.76 XP1.4 -9.25,13.28 -9.25,7.9 -9.25,7.45 -7.55,5.75 -6.175,4.375 -4.125,4.375 -3.25,3.5 2.25,3.5 3.25,3.5 4,4.25 7.5,4.25 8.75,5.5 8.75,14.76 ; v1(7.55,18.8) 8,18.8 8.75,18.05 8.75,14.76 ; XP2.4 XP2.3 8.75,14.76
VCC5P0: C2.2 C4.2 C7.2 DA1.5 DA1.8 DD1.7 FP1.2 FV1.5 R18.2 XP1.1 XP1.2 XP2.1 XP2.2 | length 75.7
  Top Layer w0.15: 1.4,10.25 2.1,10.25 ; DA1.5 5.275,12.325 5.4,12.2 7.225,12.2
  Top Layer w0.2: FV1.5 0,10.5 0.25,10.25 1.4,10.25 ; 2.1,10.25 2.3,10.25 FP1.2
  Top Layer w0.25: DD1.7 2.05,15.25 R18.2 3.2,14.1 3.2,12.7 3.35,12.55 C4.2 4.15,12.55 4.5,12.2 C2.2
  Top Layer w0.3: 6.975,10.925 C7.2 7.55,11.875 7.225,12.2 DA1.8
  Top Layer w0.6: FP1.2 C2.2 6.95,10.95 8.2,9.7 v1(10.7,9.7)
  Top Layer w0.7: -5.099,0.6 5.4,0.6
  Top Layer w0.8: XP1.2 -9.01,10.5 -6.75,10.5 -6.125,9.875 -6.125,1.375 -5.35,0.6 -5.099,0.6 ; 5.4,0.6 12.2,0.6 13.27,1.67 XP2.2
  Bottom Layer w0.6: v1(10.7,9.7) 10.7,12.19 XP2.1
  Bottom Layer w0.8: XP1.1 XP1.2
  Bottom Layer w1: XP2.1 XP2.2
VCCBAT: C8.1 DD2.65 VD1.2 VT1.3 | length 12.2
  Top Layer w0.15: -5.5,39 -5.5,37.2 -5.35,37.05 C8.1 -5,36.7 -3.8,35.5 DD2.65
  Top Layer w0.25: VD1.2 -5.75,42.75 -5.5,42.5 -5.5,41.5 ; -5.5,39 -5.5,41.5 ; VT1.3@-3.75,42.375 -3.75,41.66 -3.59,41.5 -5.5,41.5
VCCBAT_SW: DD2.64 R24.1 | length 2.4
  Top Layer w0.15: R24.1 -4,36.6 -3.4,36 DD2.64
WAKEUP1: DD2.63 R13.2 | length 2.1
  Top Layer w0.15: DD2.63 R13.2
WAKEUP2: DD2.62 R14.2 | length 2.4
  Top Layer w0.15: DD2.62 -2.6,35.8 -2,36.4 R14.2
WAKEUP3: DD2.61 R15.2 | length 4.6
  Top Layer w0.15: DD2.61 -2.2,35.7 -1.5,36.4 -1.5,38.7 -1.6,38.8 R15.2
pads on no net: DD1.1 DD1.2 DD1.10 DD1.11 DD1.14 DD1.15 DD1.16 R39.2 R39.7 SB1.4 SB2.4 XS1.0 XS1.A8 XS1.B8 XS2.7 ZQ2.2 ZQ2.4

## Polygon pours and split planes (outlines as drawn)
GND on Bottom Layer "GND_L02_P000" (solid, remove dead copper, pour order 0): -15,0 15,0 15,50 -15,50
GND on Top Layer "GND_L01_P002" (solid, pour order 2): -15,0 -5,0 -5,8.75 -8.5,12.25 -15,12.25
GND on Top Layer "GND_L01_P001" (solid, pour order 1): 8.55,11.225 8.675,11.35 8.675,18.15 8.55,18.275 8.175,18.275 7.9,18 7.9,15.5 7.4,15 6.725,15 6.725,15.85 6.425,15.85 6.425,15 5.425,15 5.425,15.85 5.125,15.85 5.125,15 5.1,15 4.9,15.2 4.3,15.2 3.875,14.775 3.6,14.775 3.475,14.65 3.475,13.35 3.6,13.225 4.1,13.225 4.325,13 4.6,13 4.9,13.3 4.9,13.5 5.775,13.5 5.775,12.625 6.075,12.625 6.075,13.5 6.425,13.5 6.425,12.625 6.725,12.625 6.725,13.5 7.45,13.5 7.6,13.35 7.6,12.275 8.225,11.65 8.225,11.35 8.35,11.225

## Silkscreen, mask and mechanical layers (free items; w line width, h text height)
Top Overlay:
  text "A_D" at 6.75,47.75 h1.5
  text "К1986ВК025 / RISC-V" at -2.737,46.623 h1.5
  text ".PCB_Week" at 6.75,46.25 h1.5
Bottom Overlay:
  lines w0.2: -7,11 -7,49 ; 7,11 7,49
  text "PC3" at -7.651,47.351 h1.5
  text "PC2" at -5.152,47.351 h1.5
  text "PD5" at 6.75,47.351 h1.5
  text "PD6" at 9.25,47.351 h1.5
  text "PC5" at -7.651,44.851 h1.5
  text "PC4" at -5.074,44.851 h1.5
  text "PD7" at 6.75,44.851 h1.5
  text "PA0" at 9.25,44.851 h1.5
  text "BAT" at -7.418,42.351 h1.5
  text "RST" at -4.997,42.351 h1.5
  text "PA1" at 6.75,42.351 h1.5
  text "PA2" at 9.25,42.351 h1.5
  text "GND" at -7.495,39.851 h1.5
  text "GND" at -4.995,39.851 h1.5
  text "PA3" at 6.75,39.851 h1.5
  text "PA4" at 9.25,39.851 h1.5
  text "I0N" at -7.968,37.351 h1.5
  text "I0P" at -5.468,37.351 h1.5
  text "PA5" at 6.75,37.351 h1.5
  text "PD8" at 9.25,37.351 h1.5
  text "V0N" at -7.494,34.601 h1.5
  text "V0P" at -4.994,34.601 h1.5
  text "PD9" at 6.75,34.601 h1.5
  text "PD4" at 9.25,34.601 h1.5
  text "I1N" at -8.126,32.101 h1.5
  text "I1P" at -5.626,32.101 h1.5
  text "PD3" at 6.75,32.101 h1.5
  text "PD2" at 9.25,32.101 h1.5
  text "V1N" at -7.652,29.601 h1.5
  text "V1P" at -5.152,29.601 h1.5
  text "PD1" at 6.75,29.601 h1.5
  text "PD0" at 9.25,29.601 h1.5
  text "I2P" at -7.968,27.101 h1.5
  text "I2N" at -5.468,27.101 h1.5
  text "PB13" at 6.75,27.101 h1.5
  text "PB12" at 9.25,27.101 h1.5
  text "V2P" at -7.494,24.601 h1.5
  text "V2N" at -4.994,24.601 h1.5
  text "PB11" at 6.75,24.601 h1.5
  text "PB10" at 9.25,24.601 h1.5
  text "REF" at -7.652,22.101 h1.5
  text "A1" at -5.781,22.101 h1.5
  text "PB8" at 6.75,22.101 h1.5
  text "PB9" at 9.25,22.101 h1.5
  text "A3" at -8.126,19.601 h1.5
  text "A2" at -5.627,19.601 h1.5
  text "PB7" at 6.75,19.601 h1.5
  text "PB6" at 9.25,19.601 h1.5
  text "GND" at -7.495,16.851 h1.5
  text "GND" at -4.995,16.851 h1.5
  text "GND" at 6.75,16.851 h1.5
  text "GND" at 9.25,16.851 h1.5
  text "+3P3" at 6.75,15.101 h1.5
  text "+3P3" at 9.25,15.101 h1.5
  text "+3P3" at -7.097,14.351 h1.5
  text "+3P3" at -4.597,14.351 h1.5
  text "+5P0" at -7.097,11.851 h1.5
  text "+5P0" at -4.597,11.851 h1.5
  text "+5P0" at 6.75,11.851 h1.5
  text "+5P0" at 9.25,11.851 h1.5
  text "JLCJLCJLCJLC" at 13.75,8.75 h1.5 r90
1 - Board Outline:
  the board outline again, w0.2